# Altium PCB STB_LightBoard.PcbDoc (part 22 of 31) (continued)
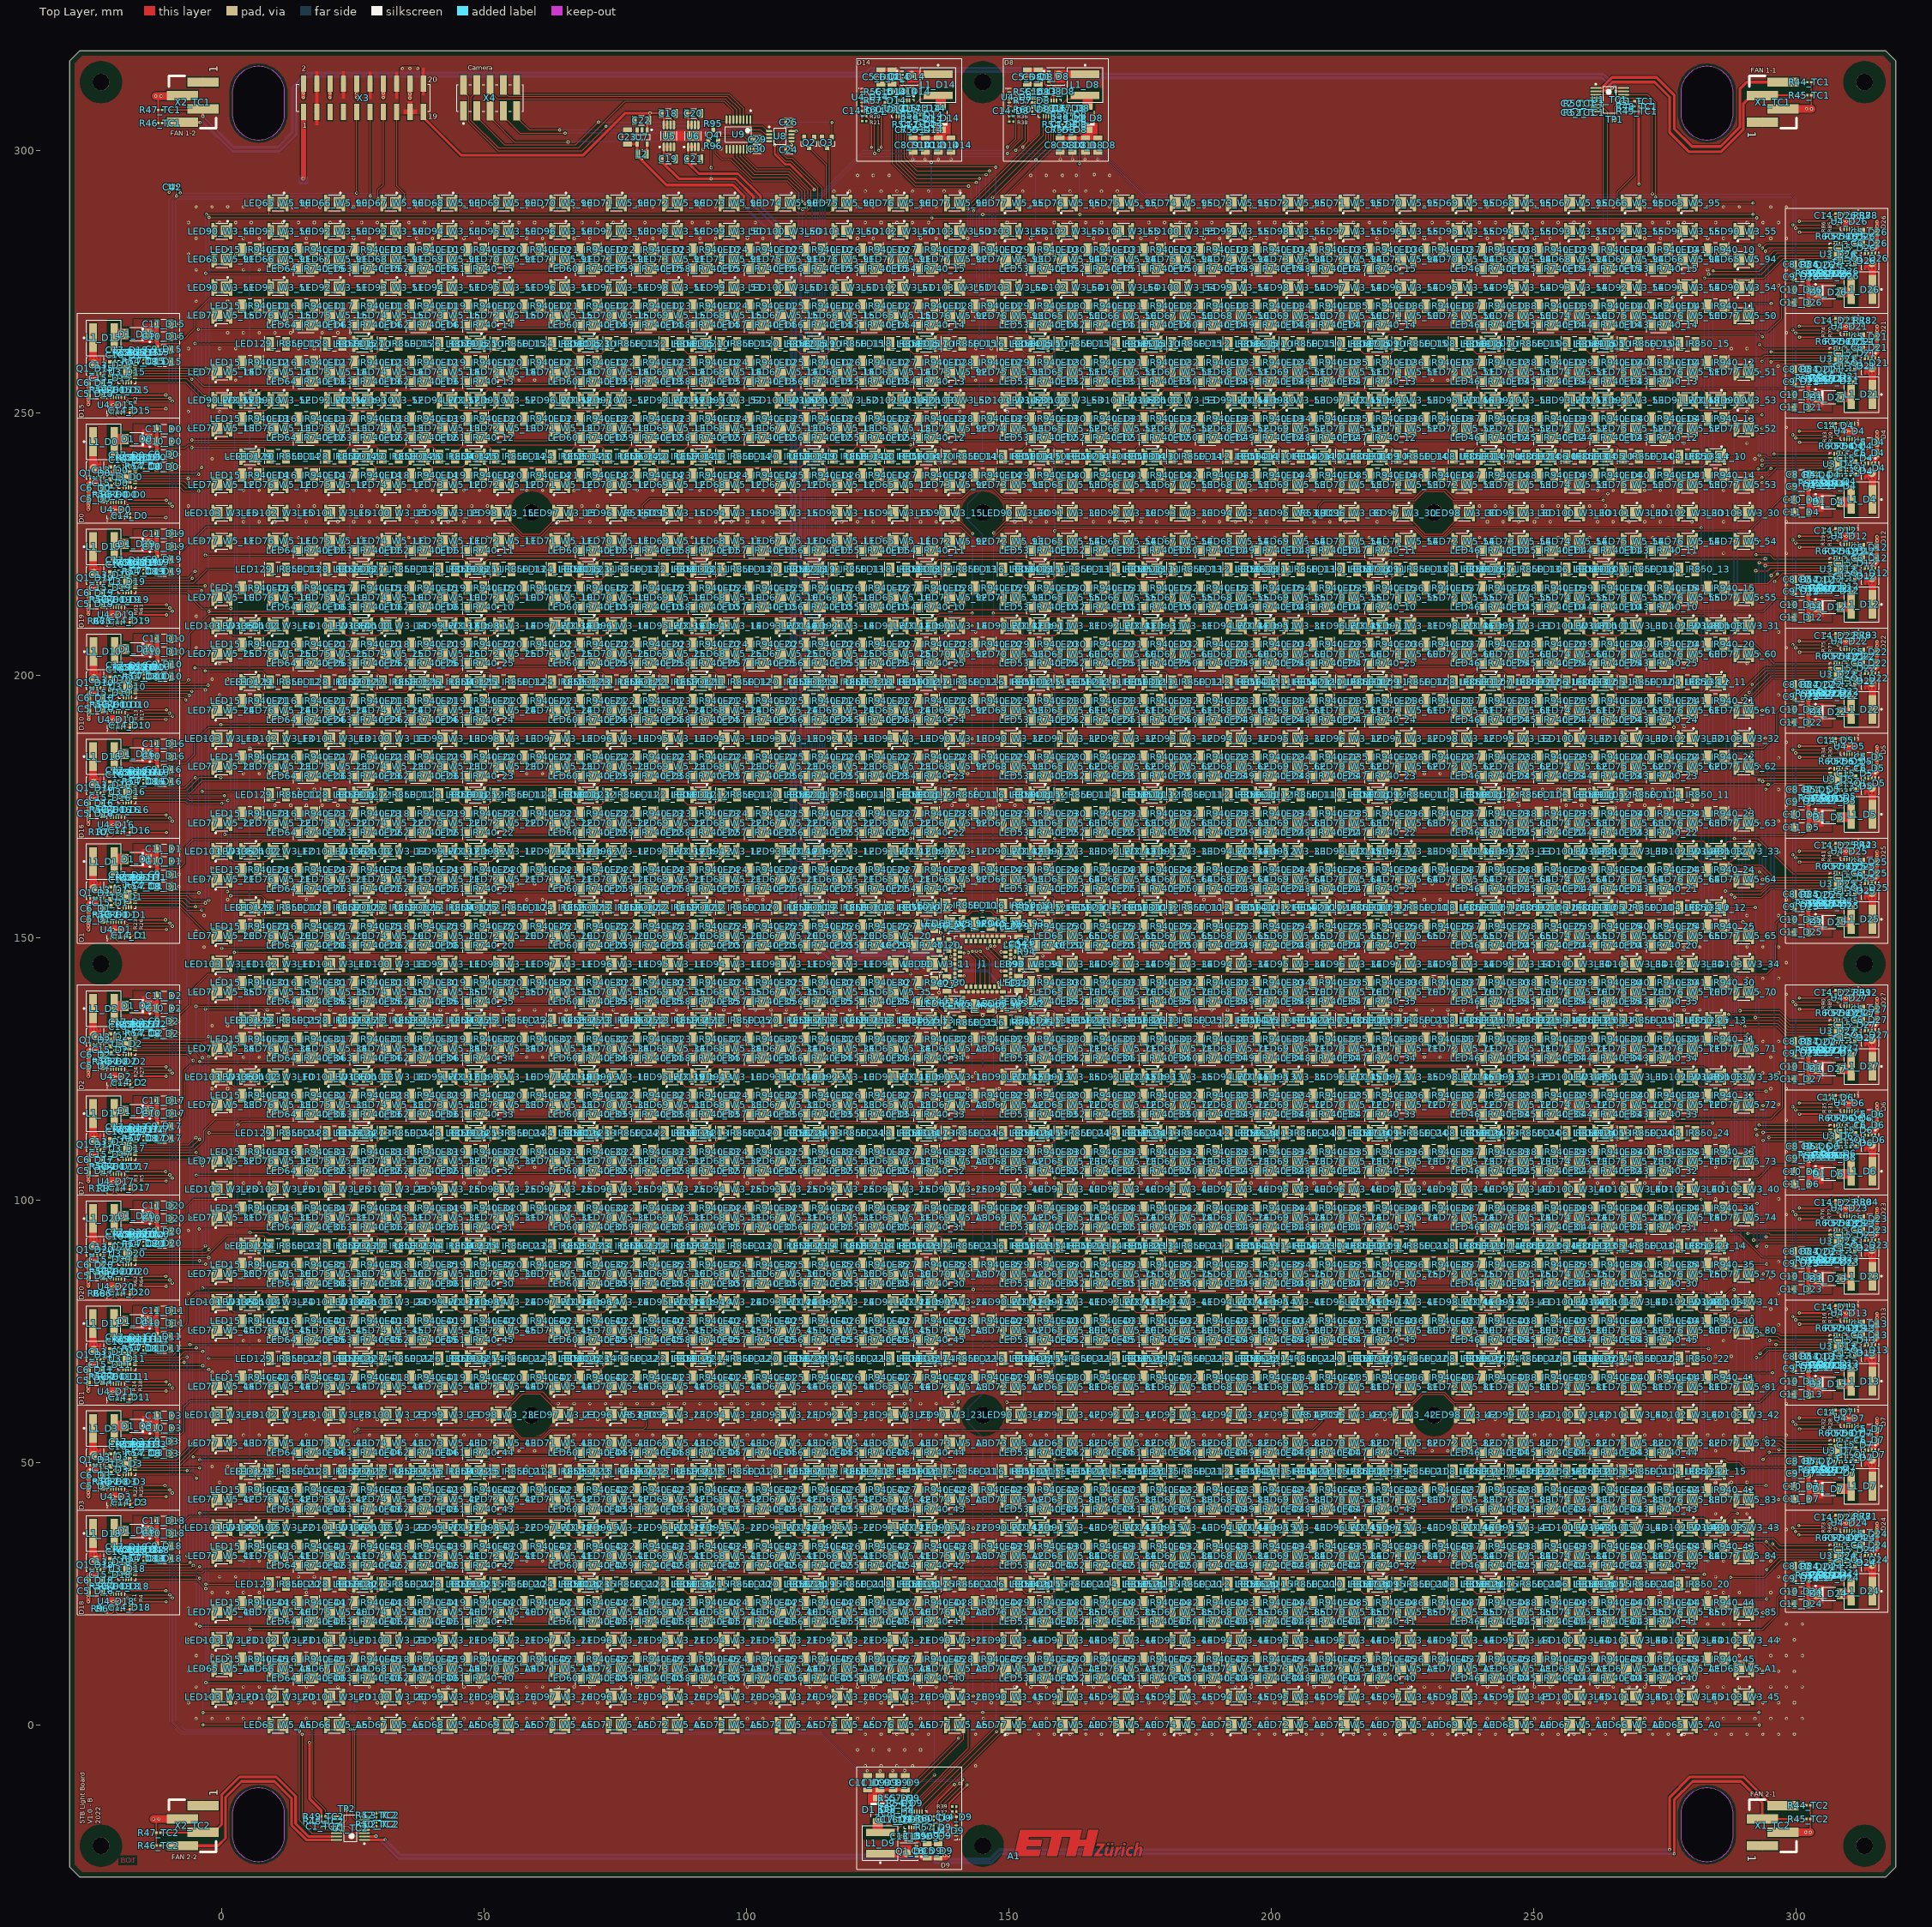
[diagram p0: Top Layer view]
## Nets (pads, with @x,y where several pads share a name; then routed paths per layer and width w, separated by ;. In a path a pad name is that pad's centre, name@x,y a point inside that pad or via, vN(x,y) a via of type N, cw(c..) or ccw(c..) an arc to the next point about the centre after c; other vN are vias at no path point) (continued)
  Top Layer w0.2: LED66_W5_44.2@119.851,64.465 LED65_W5_44.1@127.192,64.465 LED65_W5_44.1@128.257,64.465
NetLED65_W5_45_1: LED65_W5_45.1 LED66_W5_45.2 | length 8.4
  Top Layer w0.2: LED66_W5_45.2@119.851,75.205 LED65_W5_45.1@127.192,75.205 LED65_W5_45.1@128.257,75.205
NetLED65_W5_50_1: LED65_W5_50.1 LED66_W5_50.2 | length 9
  Top Layer w0.2: LED65_W5_50.1@161.75,268.5 LED65_W5_50.1@162.815,268.5 LED66_W5_50.2@170.156,268.5 LED66_W5_50.2@170.746,268.5
NetLED65_W5_51_1: LED65_W5_51.1 LED66_W5_51.2 | length 9
  Top Layer w0.2: LED65_W5_51.1@161.75,257.76 LED65_W5_51.1@162.815,257.76 LED66_W5_51.2@170.156,257.76 LED66_W5_51.2@170.746,257.76
NetLED65_W5_52_1: LED65_W5_52.1 LED66_W5_52.2 | length 9
  Top Layer w0.2: LED65_W5_52.1@161.75,247.02 LED65_W5_52.1@162.815,247.02 LED66_W5_52.2@170.156,247.02 LED66_W5_52.2@170.746,247.02
NetLED65_W5_53_1: LED65_W5_53.1 LED66_W5_53.2 | length 9
  Top Layer w0.2: LED65_W5_53.1@161.75,236.28 LED65_W5_53.1@162.815,236.28 LED66_W5_53.2@170.156,236.28 LED66_W5_53.2@170.746,236.28
NetLED65_W5_54_1: LED65_W5_54.1 LED66_W5_54.2 | length 9
  Top Layer w0.2: LED65_W5_54.1@161.75,225.54 LED65_W5_54.1@162.815,225.54 LED66_W5_54.2@170.156,225.54 LED66_W5_54.2@170.746,225.54
NetLED65_W5_55_1: LED65_W5_55.1 LED66_W5_55.2 | length 9
  Top Layer w0.2: LED65_W5_55.1@161.75,214.8 LED65_W5_55.1@162.815,214.8 LED66_W5_55.2@170.156,214.8 LED66_W5_55.2@170.746,214.8
NetLED65_W5_60_1: LED65_W5_60.1 LED66_W5_60.2 | length 9
  Top Layer w0.2: LED65_W5_60.1@161.75,204.06 LED65_W5_60.1@162.815,204.06 LED66_W5_60.2@170.156,204.06 LED66_W5_60.2@170.746,204.06
NetLED65_W5_61_1: LED65_W5_61.1 LED66_W5_61.2 | length 9
  Top Layer w0.2: LED65_W5_61.1@161.75,193.32 LED65_W5_61.1@162.815,193.32 LED66_W5_61.2@170.156,193.32 LED66_W5_61.2@170.746,193.32
NetLED65_W5_62_1: LED65_W5_62.1 LED66_W5_62.2 | length 9
  Top Layer w0.2: LED65_W5_62.1@161.75,182.58 LED65_W5_62.1@162.815,182.58 LED66_W5_62.2@170.156,182.58 LED66_W5_62.2@170.746,182.58
NetLED65_W5_63_1: LED65_W5_63.1 LED66_W5_63.2 | length 9
  Top Layer w0.2: LED65_W5_63.1@161.75,171.84 LED65_W5_63.1@162.815,171.84 LED66_W5_63.2@170.156,171.84 LED66_W5_63.2@170.746,171.84
NetLED65_W5_64_1: LED65_W5_64.1 LED66_W5_64.2 | length 9
  Top Layer w0.2: LED65_W5_64.1@161.75,161.1 LED65_W5_64.1@162.815,161.1 LED66_W5_64.2@170.156,161.1 LED66_W5_64.2@170.746,161.1
NetLED65_W5_65_1: LED65_W5_65.1 LED66_W5_65.2 | length 9
  Top Layer w0.2: LED65_W5_65.1@161.75,150.36 LED65_W5_65.1@162.815,150.36 LED66_W5_65.2@170.156,150.36 LED66_W5_65.2@170.746,150.36
NetLED65_W5_70_1: LED65_W5_70.1 LED66_W5_70.2 | length 9
  Top Layer w0.2: LED65_W5_70.1@161.75,139.62 LED65_W5_70.1@162.815,139.62 LED66_W5_70.2@170.156,139.62 LED66_W5_70.2@170.746,139.62
NetLED65_W5_71_1: LED65_W5_71.1 LED66_W5_71.2 | length 9
  Top Layer w0.2: LED65_W5_71.1@161.75,128.88 LED65_W5_71.1@162.815,128.88 LED66_W5_71.2@170.156,128.88 LED66_W5_71.2@170.746,128.88
NetLED65_W5_72_1: LED65_W5_72.1 LED66_W5_72.2 | length 9
  Top Layer w0.2: LED65_W5_72.1@161.75,118.14 LED65_W5_72.1@162.815,118.14 LED66_W5_72.2@170.156,118.14 LED66_W5_72.2@170.746,118.14
NetLED65_W5_73_1: LED65_W5_73.1 LED66_W5_73.2 | length 9
  Top Layer w0.2: LED65_W5_73.1@161.75,107.4 LED65_W5_73.1@162.815,107.4 LED66_W5_73.2@170.156,107.4 LED66_W5_73.2@170.746,107.4
NetLED65_W5_74_1: LED65_W5_74.1 LED66_W5_74.2 | length 9
  Top Layer w0.2: LED65_W5_74.1@161.75,96.66 LED65_W5_74.1@162.815,96.66 LED66_W5_74.2@170.156,96.66 LED66_W5_74.2@170.746,96.66
NetLED65_W5_75_1: LED65_W5_75.1 LED66_W5_75.2 | length 9
  Top Layer w0.2: LED65_W5_75.1@161.75,85.92 LED65_W5_75.1@162.815,85.92 LED66_W5_75.2@170.156,85.92 LED66_W5_75.2@170.746,85.92
NetLED65_W5_80_1: LED65_W5_80.1 LED66_W5_80.2 | length 9
  Top Layer w0.2: LED65_W5_80.1@161.75,75.18 LED65_W5_80.1@162.815,75.18 LED66_W5_80.2@170.156,75.18 LED66_W5_80.2@170.746,75.18
NetLED65_W5_81_1: LED65_W5_81.1 LED66_W5_81.2 | length 9
  Top Layer w0.2: LED65_W5_81.1@161.75,64.44 LED65_W5_81.1@162.815,64.44 LED66_W5_81.2@170.156,64.44 LED66_W5_81.2@170.746,64.44
NetLED65_W5_82_1: LED65_W5_82.1 LED66_W5_82.2 | length 9
  Top Layer w0.2: LED65_W5_82.1@161.75,53.7 LED65_W5_82.1@162.815,53.7 LED66_W5_82.2@170.156,53.7 LED66_W5_82.2@170.746,53.7
NetLED65_W5_83_1: LED65_W5_83.1 LED66_W5_83.2 | length 9
  Top Layer w0.2: LED65_W5_83.1@161.75,42.96 LED65_W5_83.1@162.815,42.96 LED66_W5_83.2@170.156,42.96 LED66_W5_83.2@170.746,42.96
NetLED65_W5_84_1: LED65_W5_84.1 LED66_W5_84.2 | length 9
  Top Layer w0.2: LED65_W5_84.1@161.75,32.22 LED65_W5_84.1@162.815,32.22 LED66_W5_84.2@170.156,32.22 LED66_W5_84.2@170.746,32.22
NetLED65_W5_85_1: LED65_W5_85.1 LED66_W5_85.2 | length 9
  Top Layer w0.2: LED65_W5_85.1@161.75,21.48 LED65_W5_85.1@162.815,21.48 LED66_W5_85.2@170.156,21.48 LED66_W5_85.2@170.746,21.48
NetLED65_W5_90_1: LED65_W5_90.1 LED66_W5_90.2 | length 10.7
  Top Layer w0.2: LED65_W5_90.1@11.991,289.98 LED65_W5_90.1@11.401,289.98 ; LED65_W5_90.1@12.441,289.98 LED65_W5_90.1@11.401,289.98 ; v1(13.1,290) 11.396,290 LED65_W5_90.1@11.376,289.98 LED65_W5_90.1@11.401,289.98 ; v1(19.1,290) 19.12,289.98 LED66_W5_90.2@19.782,289.98 LED66_W5_90.2@20.372,289.98 LED66_W5_90.2@20.397,289.98
  Bottom Layer w0.2: v1(13.1,290) v1(19.1,290)
NetLED65_W5_91_1: LED65_W5_91.1 LED66_W5_91.2 | length 9
  Top Layer w0.2: LED65_W5_91.1@0.635,279.24 LED65_W5_91.1@1.7,279.24 LED66_W5_91.2@9.041,279.24 LED66_W5_91.2@9.631,279.24
NetLED65_W5_92_1: LED65_W5_92.1 LED66_W5_92.2 | length 13.2
  Top Layer w0.2: v1(137.2,152.7) LED65_W5_92.1@138.682,152.7 ; LED66_W5_92.2@140.743,161.1 LED66_W5_92.2@141.333,161.1 v1(142.019,161.1)
  Bottom Layer w0.2: v1(137.2,152.7) 137.2,156.281 v1(142.019,161.1)
NetLED65_W5_93_1: LED65_W5_93.1 LED66_W5_93.2 | length 13.5
  Top Layer w0.2: v1(148.06,161.1) LED66_W5_93.2@148.674,161.1 LED66_W5_93.2@149.264,161.1 ; LED65_W5_93.1@151.009,152.76 151.209,152.96 151.874,152.96 LED65_W5_93.1@152.074,152.76 ; LED65_W5_93.1@152.074,152.6 v1(152.7,152.6)
  Bottom Layer w0.2: v1(148.06,161.1) 152.76,156.4 152.76,152.66 v1(152.7,152.6)
NetLED65_W5_94_1: LED65_W5_94.1 LED66_W5_94.2 | length 8.4
  Top Layer w0.2: LED66_W5_94.2@280.966,279.24 LED65_W5_94.1@288.307,279.24 LED65_W5_94.1@289.372,279.24
NetLED65_W5_95_1: LED65_W5_95.1 LED66_W5_95.2 | length 9
  Top Layer w0.2: LED66_W5_95.2@269.61,289.98 270.675,289.98 278.016,289.98 LED65_W5_95.1@278.606,289.98
NetLED65_W5_A0_1: LED65_W5_A0.1 LED66_W5_A0.2 | length 18.6
  Top Layer w0.2: LED66_W5_A0.2@269.61,0 270.675,0 LED65_W5_A0.1@278.016,0 ; LED66_W5_A0.2@269.635,0 LED66_W5_A0.2@270.225,0 LED65_W5_A0.1@277.566,0 LED65_W5_A0.1@278.631,0 LED65_W5_A0.1@278.016,0 ; LED65_W5_A0.1@278.606,0 LED65_W5_A0.1@278.016,0
NetLED65_W5_A1_1: LED65_W5_A1.1 LED66_W5_A1.2 | length 8.4
  Top Layer w0.2: LED66_W5_A1.2@280.351,10.74 281.416,10.74 LED65_W5_A1.1@288.757,10.74
NetLED65_W5_A2_1: LED65_W5_A2.1 LED66_W5_A2.2 | length 12.4
  Top Layer w0.2: v1(148.06,128.88) LED66_W5_A2.2@148.674,128.88 LED66_W5_A2.2@149.264,128.88 ; LED65_W5_A2.1@152.117,137.483 v1(152.761,137.483)
  Bottom Layer w0.2: v1(148.06,128.88) 152.761,133.581 v1(152.761,137.483)
NetLED65_W5_A3_1: LED65_W5_A3.1 LED66_W5_A3.2 | length 13
  Top Layer w0.2: v1(137.3,137.5) 137.733,137.5 137.961,137.728 LED65_W5_A3.1@137.961,138.161 ; LED66_W5_A3.2@140.743,128.88 LED66_W5_A3.2@141.333,128.88 v1(142.019,128.88)
  Bottom Layer w0.2: v1(137.3,137.5) 137.3,133.599 v1(142.019,128.88)
NetLED65_W5_A4_1: LED65_W5_A4.1 LED66_W5_A4.2 | length 8.4
  Top Layer w0.2: LED65_W5_A4.1@1.25,10.74 8.591,10.74 LED66_W5_A4.2@9.656,10.74
NetLED65_W5_A5_1: LED65_W5_A5.1 LED66_W5_A5.2 | length 9
  Top Layer w0.2: LED65_W5_A5.1@11.376,0 LED65_W5_A5.1@12.441,0 LED66_W5_A5.2@19.782,0 LED66_W5_A5.2@20.372,0
NetLED66_W5_10_1: LED66_W5_10.1 LED67_W5_10.2 | length 8.4
  Top Layer w0.2: LED67_W5_10.2@109.11,214.825 LED66_W5_10.1@116.451,214.825 LED66_W5_10.1@117.516,214.825
NetLED66_W5_11_1: LED66_W5_11.1 LED67_W5_11.2 | length 8.4
  Top Layer w0.2: LED67_W5_11.2@109.11,225.565 LED66_W5_11.1@116.451,225.565 LED66_W5_11.1@117.516,225.565
NetLED66_W5_12_1: LED66_W5_12.1 LED67_W5_12.2 | length 8.4
  Top Layer w0.2: LED67_W5_12.2@109.11,236.305 LED66_W5_12.1@116.451,236.305 LED66_W5_12.1@117.516,236.305
NetLED66_W5_13_1: LED66_W5_13.1 LED67_W5_13.2 | length 8.4
  Top Layer w0.2: LED67_W5_13.2@109.11,247.045 LED66_W5_13.1@116.451,247.045 LED66_W5_13.1@117.516,247.045
NetLED66_W5_14_1: LED66_W5_14.1 LED67_W5_14.2 | length 8.4
  Top Layer w0.2: LED67_W5_14.2@109.11,257.785 LED66_W5_14.1@116.451,257.785 LED66_W5_14.1@117.516,257.785
NetLED66_W5_15_1: LED66_W5_15.1 LED67_W5_15.2 | length 8.4
  Top Layer w0.2: LED67_W5_15.2@109.11,268.525 LED66_W5_15.1@116.451,268.525 LED66_W5_15.1@117.516,268.525
NetLED66_W5_20_1: LED66_W5_20.1 LED67_W5_20.2 | length 8.4
  Top Layer w0.2: LED67_W5_20.2@109.11,150.385 LED66_W5_20.1@116.451,150.385 LED66_W5_20.1@117.516,150.385
NetLED66_W5_21_1: LED66_W5_21.1 LED67_W5_21.2 | length 8.4
  Top Layer w0.2: LED67_W5_21.2@109.11,161.125 LED66_W5_21.1@116.451,161.125 LED66_W5_21.1@117.516,161.125
NetLED66_W5_22_1: LED66_W5_22.1 LED67_W5_22.2 | length 8.4
  Top Layer w0.2: LED67_W5_22.2@109.11,171.865 LED66_W5_22.1@116.451,171.865 LED66_W5_22.1@117.516,171.865
NetLED66_W5_23_1: LED66_W5_23.1 LED67_W5_23.2 | length 8.4
  Top Layer w0.2: LED67_W5_23.2@109.11,182.605 LED66_W5_23.1@116.451,182.605 LED66_W5_23.1@117.516,182.605
NetLED66_W5_24_1: LED66_W5_24.1 LED67_W5_24.2 | length 8.4
  Top Layer w0.2: LED67_W5_24.2@109.11,193.345 LED66_W5_24.1@116.451,193.345 LED66_W5_24.1@117.516,193.345
NetLED66_W5_25_1: LED66_W5_25.1 LED67_W5_25.2 | length 8.4
  Top Layer w0.2: LED67_W5_25.2@109.11,204.085 LED66_W5_25.1@116.451,204.085 LED66_W5_25.1@117.516,204.085
NetLED66_W5_30_1: LED66_W5_30.1 LED67_W5_30.2 | length 8.4
  Top Layer w0.2: LED67_W5_30.2@109.11,85.945 LED66_W5_30.1@116.451,85.945 LED66_W5_30.1@117.516,85.945
NetLED66_W5_31_1: LED66_W5_31.1 LED67_W5_31.2 | length 8.4
  Top Layer w0.2: LED67_W5_31.2@109.11,96.685 LED66_W5_31.1@116.451,96.685 LED66_W5_31.1@117.516,96.685
NetLED66_W5_32_1: LED66_W5_32.1 LED67_W5_32.2 | length 8.4
  Top Layer w0.2: LED67_W5_32.2@109.11,107.425 LED66_W5_32.1@116.451,107.425 LED66_W5_32.1@117.516,107.425
NetLED66_W5_33_1: LED66_W5_33.1 LED67_W5_33.2 | length 8.4
  Top Layer w0.2: LED67_W5_33.2@109.11,118.165 LED66_W5_33.1@116.451,118.165 LED66_W5_33.1@117.516,118.165
NetLED66_W5_34_1: LED66_W5_34.1 LED67_W5_34.2 | length 8.4
  Top Layer w0.2: LED67_W5_34.2@109.11,128.905 LED66_W5_34.1@116.451,128.905 LED66_W5_34.1@117.516,128.905
NetLED66_W5_35_1: LED66_W5_35.1 LED67_W5_35.2 | length 8.4
  Top Layer w0.2: LED67_W5_35.2@109.11,139.645 LED66_W5_35.1@116.451,139.645 LED66_W5_35.1@117.516,139.645
NetLED66_W5_40_1: LED66_W5_40.1 LED67_W5_40.2 | length 8.4
  Top Layer w0.2: LED67_W5_40.2@109.11,21.505 LED66_W5_40.1@116.451,21.505 LED66_W5_40.1@117.516,21.505
NetLED66_W5_41_1: LED66_W5_41.1 LED67_W5_41.2 | length 8.4
  Top Layer w0.2: LED67_W5_41.2@109.11,32.245 LED66_W5_41.1@116.451,32.245 LED66_W5_41.1@117.516,32.245
NetLED66_W5_42_1: LED66_W5_42.1 LED67_W5_42.2 | length 8.4
  Top Layer w0.2: LED67_W5_42.2@109.11,42.985 LED66_W5_42.1@116.451,42.985 LED66_W5_42.1@117.516,42.985
NetLED66_W5_43_1: LED66_W5_43.1 LED67_W5_43.2 | length 8.4
  Top Layer w0.2: LED67_W5_43.2@109.11,53.725 LED66_W5_43.1@116.451,53.725 LED66_W5_43.1@117.516,53.725
NetLED66_W5_44_1: LED66_W5_44.1 LED67_W5_44.2 | length 8.4
  Top Layer w0.2: LED67_W5_44.2@109.11,64.465 LED66_W5_44.1@116.451,64.465 LED66_W5_44.1@117.516,64.465
NetLED66_W5_45_1: LED66_W5_45.1 LED67_W5_45.2 | length 8.4
  Top Layer w0.2: LED67_W5_45.2@109.11,75.205 LED66_W5_45.1@116.451,75.205 LED66_W5_45.1@117.516,75.205
NetLED66_W5_50_1: LED66_W5_50.1 LED67_W5_50.2 | length 9
  Top Layer w0.2: LED66_W5_50.1@172.491,268.5 LED66_W5_50.1@173.556,268.5 LED67_W5_50.2@180.897,268.5 LED67_W5_50.2@181.487,268.5
NetLED66_W5_51_1: LED66_W5_51.1 LED67_W5_51.2 | length 9
  Top Layer w0.2: LED66_W5_51.1@172.491,257.76 LED66_W5_51.1@173.556,257.76 LED67_W5_51.2@180.897,257.76 LED67_W5_51.2@181.487,257.76
NetLED66_W5_52_1: LED66_W5_52.1 LED67_W5_52.2 | length 9
  Top Layer w0.2: LED66_W5_52.1@172.491,247.02 LED66_W5_52.1@173.556,247.02 LED67_W5_52.2@180.897,247.02 LED67_W5_52.2@181.487,247.02
NetLED66_W5_53_1: LED66_W5_53.1 LED67_W5_53.2 | length 9
  Top Layer w0.2: LED66_W5_53.1@172.491,236.28 LED66_W5_53.1@173.556,236.28 LED67_W5_53.2@180.897,236.28 LED67_W5_53.2@181.487,236.28
NetLED66_W5_54_1: LED66_W5_54.1 LED67_W5_54.2 | length 9
  Top Layer w0.2: LED66_W5_54.1@172.491,225.54 LED66_W5_54.1@173.556,225.54 LED67_W5_54.2@180.897,225.54 LED67_W5_54.2@181.487,225.54
NetLED66_W5_55_1: LED66_W5_55.1 LED67_W5_55.2 | length 9
  Top Layer w0.2: LED66_W5_55.1@172.491,214.8 LED66_W5_55.1@173.556,214.8 LED67_W5_55.2@180.897,214.8 LED67_W5_55.2@181.487,214.8
NetLED66_W5_60_1: LED66_W5_60.1 LED67_W5_60.2 | length 9
  Top Layer w0.2: LED66_W5_60.1@172.491,204.06 LED66_W5_60.1@173.556,204.06 LED67_W5_60.2@180.897,204.06 LED67_W5_60.2@181.487,204.06
NetLED66_W5_61_1: LED66_W5_61.1 LED67_W5_61.2 | length 9
  Top Layer w0.2: LED66_W5_61.1@172.491,193.32 LED66_W5_61.1@173.556,193.32 LED67_W5_61.2@180.897,193.32 LED67_W5_61.2@181.487,193.32
NetLED66_W5_62_1: LED66_W5_62.1 LED67_W5_62.2 | length 9
  Top Layer w0.2: LED66_W5_62.1@172.491,182.58 LED66_W5_62.1@173.556,182.58 LED67_W5_62.2@180.897,182.58 LED67_W5_62.2@181.487,182.58
NetLED66_W5_63_1: LED66_W5_63.1 LED67_W5_63.2 | length 9
  Top Layer w0.2: LED66_W5_63.1@172.491,171.84 LED66_W5_63.1@173.556,171.84 LED67_W5_63.2@180.897,171.84 LED67_W5_63.2@181.487,171.84
NetLED66_W5_64_1: LED66_W5_64.1 LED67_W5_64.2 | length 9
  Top Layer w0.2: LED66_W5_64.1@172.491,161.1 LED66_W5_64.1@173.556,161.1 LED67_W5_64.2@180.897,161.1 LED67_W5_64.2@181.487,161.1
NetLED66_W5_65_1: LED66_W5_65.1 LED67_W5_65.2 | length 9
  Top Layer w0.2: LED66_W5_65.1@172.491,150.36 LED66_W5_65.1@173.556,150.36 LED67_W5_65.2@180.897,150.36 LED67_W5_65.2@181.487,150.36
NetLED66_W5_70_1: LED66_W5_70.1 LED67_W5_70.2 | length 9
  Top Layer w0.2: LED66_W5_70.1@172.491,139.62 LED66_W5_70.1@173.556,139.62 LED67_W5_70.2@180.897,139.62 LED67_W5_70.2@181.487,139.62
NetLED66_W5_71_1: LED66_W5_71.1 LED67_W5_71.2 | length 9
  Top Layer w0.2: LED66_W5_71.1@172.491,128.88 LED66_W5_71.1@173.556,128.88 LED67_W5_71.2@180.897,128.88 LED67_W5_71.2@181.487,128.88
NetLED66_W5_72_1: LED66_W5_72.1 LED67_W5_72.2 | length 9
  Top Layer w0.2: LED66_W5_72.1@172.491,118.14 LED66_W5_72.1@173.556,118.14 LED67_W5_72.2@180.897,118.14 LED67_W5_72.2@181.487,118.14
NetLED66_W5_73_1: LED66_W5_73.1 LED67_W5_73.2 | length 9
  Top Layer w0.2: LED66_W5_73.1@172.491,107.4 LED66_W5_73.1@173.556,107.4 LED67_W5_73.2@180.897,107.4 LED67_W5_73.2@181.487,107.4
NetLED66_W5_74_1: LED66_W5_74.1 LED67_W5_74.2 | length 9
  Top Layer w0.2: LED66_W5_74.1@172.491,96.66 LED66_W5_74.1@173.556,96.66 LED67_W5_74.2@180.897,96.66 LED67_W5_74.2@181.487,96.66
NetLED66_W5_75_1: LED66_W5_75.1 LED67_W5_75.2 | length 9
  Top Layer w0.2: LED66_W5_75.1@172.491,85.92 LED66_W5_75.1@173.556,85.92 LED67_W5_75.2@180.897,85.92 LED67_W5_75.2@181.487,85.92
NetLED66_W5_80_1: LED66_W5_80.1 LED67_W5_80.2 | length 9
  Top Layer w0.2: LED66_W5_80.1@172.491,75.18 LED66_W5_80.1@173.556,75.18 LED67_W5_80.2@180.897,75.18 LED67_W5_80.2@181.487,75.18
NetLED66_W5_81_1: LED66_W5_81.1 LED67_W5_81.2 | length 9
  Top Layer w0.2: LED66_W5_81.1@172.491,64.44 LED66_W5_81.1@173.556,64.44 LED67_W5_81.2@180.897,64.44 LED67_W5_81.2@181.487,64.44
NetLED66_W5_82_1: LED66_W5_82.1 LED67_W5_82.2 | length 9
  Top Layer w0.2: LED66_W5_82.1@172.491,53.7 LED66_W5_82.1@173.556,53.7 LED67_W5_82.2@180.897,53.7 LED67_W5_82.2@181.487,53.7
NetLED66_W5_83_1: LED66_W5_83.1 LED67_W5_83.2 | length 9
  Top Layer w0.2: LED66_W5_83.1@172.491,42.96 LED66_W5_83.1@173.556,42.96 LED67_W5_83.2@180.897,42.96 LED67_W5_83.2@181.487,42.96
NetLED66_W5_84_1: LED66_W5_84.1 LED67_W5_84.2 | length 9
  Top Layer w0.2: LED66_W5_84.1@172.491,32.22 LED66_W5_84.1@173.556,32.22 LED67_W5_84.2@180.897,32.22 LED67_W5_84.2@181.487,32.22
NetLED66_W5_85_1: LED66_W5_85.1 LED67_W5_85.2 | length 9
  Top Layer w0.2: LED66_W5_85.1@172.491,21.48 LED66_W5_85.1@173.556,21.48 LED67_W5_85.2@180.897,21.48 LED67_W5_85.2@181.487,21.48
NetLED66_W5_90_1: LED66_W5_90.1 LED67_W5_90.2 | length 8.6
  Top Layer w0.2: LED66_W5_90.1@22.142,289.98 LED66_W5_90.1@22.732,289.98 ; LED66_W5_90.1@23.182,289.98 v1(23.8,289.98) ; v1(29.806,289.996) 30.507,289.996 LED67_W5_90.2@30.523,289.98 LED67_W5_90.2@31.113,289.98 LED67_W5_90.2@31.138,289.98
  Bottom Layer w0.2: v1(23.8,289.98) 23.808,289.988 29.798,289.988 v1(29.806,289.996)
NetLED66_W5_91_1: LED66_W5_91.1 LED67_W5_91.2 | length 9
  Top Layer w0.2: LED66_W5_91.1@11.376,279.24 LED66_W5_91.1@12.441,279.24 LED67_W5_91.2@19.782,279.24 LED67_W5_91.2@20.372,279.24
NetLED66_W5_92_1: LED66_W5_92.1 LED67_W5_92.2 | length 15.2
  Top Layer w0.2: v1(137.319,161.1) LED66_W5_92.1@137.933,161.1 LED66_W5_92.1@138.523,161.1 ; LED67_W5_92.2@140.743,171.84 LED67_W5_92.2@141.333,171.84 v1(142.019,171.84)
  Bottom Layer w0.2: v1(137.319,161.1) 137.319,167.14 v1(142.019,171.84)
NetLED66_W5_93_1: LED66_W5_93.1 LED67_W5_93.2 | length 15.6
  Top Layer w0.2: v1(148.06,171.84) LED67_W5_93.2@148.674,171.84 LED67_W5_93.2@149.264,171.84 ; LED66_W5_93.1@151.009,161.1 LED66_W5_93.1@152.074,161.1 v1(152.76,161.1)
  Bottom Layer w0.2: v1(148.06,171.84) 152.76,167.14 v1(152.76,161.1)
NetLED66_W5_94_1: LED66_W5_94.1 LED67_W5_94.2 | length 7.9
  Top Layer w0.2: LED67_W5_94.2@270.225,279.24 LED66_W5_94.1@277.566,279.24 LED66_W5_94.1@278.156,279.24
NetLED66_W5_95_1: LED66_W5_95.1 LED67_W5_95.2 | length 11.7
  Top Layer w0.2: LED67_W5_95.2@258.869,289.98 LED67_W5_95.2@259.484,289.98 259.484,288.705 259.684,288.505 259.796,288.505 259.801,288.5 266.508,288.5 266.513,288.505 266.625,288.505 266.825,288.705 LED66_W5_95.1@266.825,289.98 267.275,289.98 LED66_W5_95.1@267.865,289.98
NetLED66_W5_A0_1: LED66_W5_A0.1 LED67_W5_A0.2 | length 18.8
  Top Layer w0.2: LED67_W5_A0.2@258.7,0 LED67_W5_A0.2@258.894,0 LED67_W5_A0.2@259.484,0 LED66_W5_A0.1@266.825,0 LED66_W5_A0.1@267.89,0 LED66_W5_A0.1@267.275,0 ; LED67_W5_A0.2@258.869,0 259.934,0 LED66_W5_A0.1@267.275,0 ; LED66_W5_A0.1@267.865,0 LED66_W5_A0.1@267.275,0
NetLED66_W5_A1_1: LED66_W5_A1.1 LED67_W5_A1.2 | length 9
  Top Layer w0.2: LED67_W5_A1.2@269.61,10.74 270.675,10.74 278.016,10.74 LED66_W5_A1.1@278.606,10.74
NetLED66_W5_A2_1: LED66_W5_A2.1 LED67_W5_A2.2 | length 15.6
  Top Layer w0.2: v1(148.06,118.14) LED67_W5_A2.2@148.674,118.14 LED67_W5_A2.2@149.264,118.14 ; LED66_W5_A2.1@151.009,128.88 LED66_W5_A2.1@152.074,128.88 v1(152.76,128.88)
  Bottom Layer w0.2: v1(148.06,118.14) 152.76,122.84 v1(152.76,128.88)
NetLED66_W5_A3_1: LED66_W5_A3.1 LED67_W5_A3.2 | length 15.2
  Top Layer w0.2: v1(137.319,128.88) LED66_W5_A3.1@137.933,128.88 LED66_W5_A3.1@138.523,128.88 ; LED67_W5_A3.2@140.743,118.14 LED67_W5_A3.2@141.333,118.14 v1(142.019,118.14)
  Bottom Layer w0.2: v1(137.319,128.88) 137.319,122.84 v1(142.019,118.14)
NetLED66_W5_A4_1: LED66_W5_A4.1 LED67_W5_A4.2 | length 9
  Top Layer w0.2: LED66_W5_A4.1@11.401,10.74 11.991,10.74 19.332,10.74 LED67_W5_A4.2@20.397,10.74
NetLED66_W5_A5_1: LED66_W5_A5.1 LED67_W5_A5.2 | length 8.4
  Top Layer w0.2: LED66_W5_A5.1@22.117,0 LED66_W5_A5.1@23.182,0 LED67_W5_A5.2@30.523,0
NetLED67_W5_10_1: LED67_W5_10.1 LED68_W5_10.2 | length 8.4
  Top Layer w0.2: LED68_W5_10.2@98.369,214.825 LED67_W5_10.1@105.71,214.825 LED67_W5_10.1@106.775,214.825
NetLED67_W5_11_1: LED67_W5_11.1 LED68_W5_11.2 | length 8.4
  Top Layer w0.2: LED68_W5_11.2@98.369,225.565 LED67_W5_11.1@105.71,225.565 LED67_W5_11.1@106.775,225.565
NetLED67_W5_12_1: LED67_W5_12.1 LED68_W5_12.2 | length 8.4
  Top Layer w0.2: LED68_W5_12.2@98.369,236.305 LED67_W5_12.1@105.71,236.305 LED67_W5_12.1@106.775,236.305
NetLED67_W5_13_1: LED67_W5_13.1 LED68_W5_13.2 | length 8.4
  Top Layer w0.2: LED68_W5_13.2@98.369,247.045 LED67_W5_13.1@105.71,247.045 LED67_W5_13.1@106.775,247.045
NetLED67_W5_14_1: LED67_W5_14.1 LED68_W5_14.2 | length 8.4
  Top Layer w0.2: LED68_W5_14.2@98.369,257.785 LED67_W5_14.1@105.71,257.785 LED67_W5_14.1@106.775,257.785
NetLED67_W5_15_1: LED67_W5_15.1 LED68_W5_15.2 | length 8.4
  Top Layer w0.2: LED68_W5_15.2@98.369,268.525 LED67_W5_15.1@105.71,268.525 LED67_W5_15.1@106.775,268.525
NetLED67_W5_20_1: LED67_W5_20.1 LED68_W5_20.2 | length 8.4
  Top Layer w0.2: LED68_W5_20.2@98.369,150.385 LED67_W5_20.1@105.71,150.385 LED67_W5_20.1@106.775,150.385
NetLED67_W5_21_1: LED67_W5_21.1 LED68_W5_21.2 | length 8.4
  Top Layer w0.2: LED68_W5_21.2@98.369,161.125 LED67_W5_21.1@105.71,161.125 LED67_W5_21.1@106.775,161.125
NetLED67_W5_22_1: LED67_W5_22.1 LED68_W5_22.2 | length 8.4
  Top Layer w0.2: LED68_W5_22.2@98.369,171.865 LED67_W5_22.1@105.71,171.865 LED67_W5_22.1@106.775,171.865
NetLED67_W5_23_1: LED67_W5_23.1 LED68_W5_23.2 | length 8.4
  Top Layer w0.2: LED68_W5_23.2@98.369,182.605 LED67_W5_23.1@105.71,182.605 LED67_W5_23.1@106.775,182.605
NetLED67_W5_24_1: LED67_W5_24.1 LED68_W5_24.2 | length 8.4
  Top Layer w0.2: LED68_W5_24.2@98.369,193.345 LED67_W5_24.1@105.71,193.345 LED67_W5_24.1@106.775,193.345
NetLED67_W5_25_1: LED67_W5_25.1 LED68_W5_25.2 | length 8.4
  Top Layer w0.2: LED68_W5_25.2@98.369,204.085 LED67_W5_25.1@105.71,204.085 LED67_W5_25.1@106.775,204.085
NetLED67_W5_30_1: LED67_W5_30.1 LED68_W5_30.2 | length 8.4
  Top Layer w0.2: LED68_W5_30.2@98.369,85.945 LED67_W5_30.1@105.71,85.945 LED67_W5_30.1@106.775,85.945
NetLED67_W5_31_1: LED67_W5_31.1 LED68_W5_31.2 | length 8.4
  Top Layer w0.2: LED68_W5_31.2@98.369,96.685 LED67_W5_31.1@105.71,96.685 LED67_W5_31.1@106.775,96.685
NetLED67_W5_32_1: LED67_W5_32.1 LED68_W5_32.2 | length 8.4
  Top Layer w0.2: LED68_W5_32.2@98.369,107.425 LED67_W5_32.1@105.71,107.425 LED67_W5_32.1@106.775,107.425
NetLED67_W5_33_1: LED67_W5_33.1 LED68_W5_33.2 | length 8.4
  Top Layer w0.2: LED68_W5_33.2@98.369,118.165 LED67_W5_33.1@105.71,118.165 LED67_W5_33.1@106.775,118.165
NetLED67_W5_34_1: LED67_W5_34.1 LED68_W5_34.2 | length 8.4
  Top Layer w0.2: LED68_W5_34.2@98.369,128.905 LED67_W5_34.1@105.71,128.905 LED67_W5_34.1@106.775,128.905
NetLED67_W5_35_1: LED67_W5_35.1 LED68_W5_35.2 | length 8.4
  Top Layer w0.2: LED68_W5_35.2@98.369,139.645 LED67_W5_35.1@105.71,139.645 LED67_W5_35.1@106.775,139.645
NetLED67_W5_40_1: LED67_W5_40.1 LED68_W5_40.2 | length 8.4
  Top Layer w0.2: LED68_W5_40.2@98.369,21.505 LED67_W5_40.1@105.71,21.505 LED67_W5_40.1@106.775,21.505
NetLED67_W5_41_1: LED67_W5_41.1 LED68_W5_41.2 | length 8.4
  Top Layer w0.2: LED68_W5_41.2@98.369,32.245 LED67_W5_41.1@105.71,32.245 LED67_W5_41.1@106.775,32.245
NetLED67_W5_42_1: LED67_W5_42.1 LED68_W5_42.2 | length 8.4
  Top Layer w0.2: LED68_W5_42.2@98.369,42.985 LED67_W5_42.1@105.71,42.985 LED67_W5_42.1@106.775,42.985
NetLED67_W5_43_1: LED67_W5_43.1 LED68_W5_43.2 | length 8.4
  Top Layer w0.2: LED68_W5_43.2@98.369,53.725 LED67_W5_43.1@105.71,53.725 LED67_W5_43.1@106.775,53.725
NetLED67_W5_44_1: LED67_W5_44.1 LED68_W5_44.2 | length 8.4
  Top Layer w0.2: LED68_W5_44.2@98.369,64.465 LED67_W5_44.1@105.71,64.465 LED67_W5_44.1@106.775,64.465
NetLED67_W5_45_1: LED67_W5_45.1 LED68_W5_45.2 | length 8.4
  Top Layer w0.2: LED68_W5_45.2@98.369,75.205 LED67_W5_45.1@105.71,75.205 LED67_W5_45.1@106.775,75.205
NetLED67_W5_50_1: LED67_W5_50.1 LED68_W5_50.2 | length 9
  Top Layer w0.2: LED67_W5_50.1@183.232,268.5 LED67_W5_50.1@184.297,268.5 LED68_W5_50.2@191.638,268.5 LED68_W5_50.2@192.228,268.5
NetLED67_W5_51_1: LED67_W5_51.1 LED68_W5_51.2 | length 9
  Top Layer w0.2: LED67_W5_51.1@183.232,257.76 LED67_W5_51.1@184.297,257.76 LED68_W5_51.2@191.638,257.76 LED68_W5_51.2@192.228,257.76
NetLED67_W5_52_1: LED67_W5_52.1 LED68_W5_52.2 | length 9
  Top Layer w0.2: LED67_W5_52.1@183.232,247.02 LED67_W5_52.1@184.297,247.02 LED68_W5_52.2@191.638,247.02 LED68_W5_52.2@192.228,247.02
NetLED67_W5_53_1: LED67_W5_53.1 LED68_W5_53.2 | length 9
  Top Layer w0.2: LED67_W5_53.1@183.232,236.28 LED67_W5_53.1@184.297,236.28 LED68_W5_53.2@191.638,236.28 LED68_W5_53.2@192.228,236.28
NetLED67_W5_54_1: LED67_W5_54.1 LED68_W5_54.2 | length 9
  Top Layer w0.2: LED67_W5_54.1@183.232,225.54 LED67_W5_54.1@184.297,225.54 LED68_W5_54.2@191.638,225.54 LED68_W5_54.2@192.228,225.54
NetLED67_W5_55_1: LED67_W5_55.1 LED68_W5_55.2 | length 9
  Top Layer w0.2: LED67_W5_55.1@183.232,214.8 LED67_W5_55.1@184.297,214.8 LED68_W5_55.2@191.638,214.8 LED68_W5_55.2@192.228,214.8
NetLED67_W5_60_1: LED67_W5_60.1 LED68_W5_60.2 | length 9
  Top Layer w0.2: LED67_W5_60.1@183.232,204.06 LED67_W5_60.1@184.297,204.06 LED68_W5_60.2@191.638,204.06 LED68_W5_60.2@192.228,204.06
NetLED67_W5_61_1: LED67_W5_61.1 LED68_W5_61.2 | length 9
  Top Layer w0.2: LED67_W5_61.1@183.232,193.32 LED67_W5_61.1@184.297,193.32 LED68_W5_61.2@191.638,193.32 LED68_W5_61.2@192.228,193.32
NetLED67_W5_62_1: LED67_W5_62.1 LED68_W5_62.2 | length 9
  Top Layer w0.2: LED67_W5_62.1@183.232,182.58 LED67_W5_62.1@184.297,182.58 LED68_W5_62.2@191.638,182.58 LED68_W5_62.2@192.228,182.58
NetLED67_W5_63_1: LED67_W5_63.1 LED68_W5_63.2 | length 9
  Top Layer w0.2: LED67_W5_63.1@183.232,171.84 LED67_W5_63.1@184.297,171.84 LED68_W5_63.2@191.638,171.84 LED68_W5_63.2@192.228,171.84
NetLED67_W5_64_1: LED67_W5_64.1 LED68_W5_64.2 | length 9
  Top Layer w0.2: LED67_W5_64.1@183.232,161.1 LED67_W5_64.1@184.297,161.1 LED68_W5_64.2@191.638,161.1 LED68_W5_64.2@192.228,161.1
NetLED67_W5_65_1: LED67_W5_65.1 LED68_W5_65.2 | length 9
  Top Layer w0.2: LED67_W5_65.1@183.232,150.36 LED67_W5_65.1@184.297,150.36 LED68_W5_65.2@191.638,150.36 LED68_W5_65.2@192.228,150.36
NetLED67_W5_70_1: LED67_W5_70.1 LED68_W5_70.2 | length 9
  Top Layer w0.2: LED67_W5_70.1@183.232,139.62 LED67_W5_70.1@184.297,139.62 LED68_W5_70.2@191.638,139.62 LED68_W5_70.2@192.228,139.62
NetLED67_W5_71_1: LED67_W5_71.1 LED68_W5_71.2 | length 9
  Top Layer w0.2: LED67_W5_71.1@183.232,128.88 LED67_W5_71.1@184.297,128.88 LED68_W5_71.2@191.638,128.88 LED68_W5_71.2@192.228,128.88
NetLED67_W5_72_1: LED67_W5_72.1 LED68_W5_72.2 | length 9
  Top Layer w0.2: LED67_W5_72.1@183.232,118.14 LED67_W5_72.1@184.297,118.14 LED68_W5_72.2@191.638,118.14 LED68_W5_72.2@192.228,118.14
NetLED67_W5_73_1: LED67_W5_73.1 LED68_W5_73.2 | length 9
  Top Layer w0.2: LED67_W5_73.1@183.232,107.4 LED67_W5_73.1@184.297,107.4 LED68_W5_73.2@191.638,107.4 LED68_W5_73.2@192.228,107.4
NetLED67_W5_74_1: LED67_W5_74.1 LED68_W5_74.2 | length 9
  Top Layer w0.2: LED67_W5_74.1@183.232,96.66 LED67_W5_74.1@184.297,96.66 LED68_W5_74.2@191.638,96.66 LED68_W5_74.2@192.228,96.66
NetLED67_W5_75_1: LED67_W5_75.1 LED68_W5_75.2 | length 9
  Top Layer w0.2: LED67_W5_75.1@183.232,85.92 LED67_W5_75.1@184.297,85.92 LED68_W5_75.2@191.638,85.92 LED68_W5_75.2@192.228,85.92
NetLED67_W5_80_1: LED67_W5_80.1 LED68_W5_80.2 | length 9
  Top Layer w0.2: LED67_W5_80.1@183.232,75.18 LED67_W5_80.1@184.297,75.18 LED68_W5_80.2@191.638,75.18 LED68_W5_80.2@192.228,75.18
NetLED67_W5_81_1: LED67_W5_81.1 LED68_W5_81.2 | length 9
  Top Layer w0.2: LED67_W5_81.1@183.232,64.44 LED67_W5_81.1@184.297,64.44 LED68_W5_81.2@191.638,64.44 LED68_W5_81.2@192.228,64.44
NetLED67_W5_82_1: LED67_W5_82.1 LED68_W5_82.2 | length 9
  Top Layer w0.2: LED67_W5_82.1@183.232,53.7 LED67_W5_82.1@184.297,53.7 LED68_W5_82.2@191.638,53.7 LED68_W5_82.2@192.228,53.7
NetLED67_W5_83_1: LED67_W5_83.1 LED68_W5_83.2 | length 9
  Top Layer w0.2: LED67_W5_83.1@183.232,42.96 LED67_W5_83.1@184.297,42.96 LED68_W5_83.2@191.638,42.96 LED68_W5_83.2@192.228,42.96
NetLED67_W5_84_1: LED67_W5_84.1 LED68_W5_84.2 | length 9
  Top Layer w0.2: LED67_W5_84.1@183.232,32.22 LED67_W5_84.1@184.297,32.22 LED68_W5_84.2@191.638,32.22 LED68_W5_84.2@192.228,32.22
NetLED67_W5_85_1: LED67_W5_85.1 LED68_W5_85.2 | length 9
  Top Layer w0.2: LED67_W5_85.1@183.232,21.48 LED67_W5_85.1@184.297,21.48 LED68_W5_85.2@191.638,21.48 LED68_W5_85.2@192.228,21.48
NetLED67_W5_90_1: LED67_W5_90.1 LED68_W5_90.2 | length 8.6
  Top Layer w0.2: LED67_W5_90.1@32.883,289.98 LED67_W5_90.1@33.473,289.98 ; LED67_W5_90.1@33.923,289.98 33.951,289.952 v1(34.693,289.952) ; v1(40.623,289.975) 40.628,289.98 LED68_W5_90.2@41.264,289.98 LED68_W5_90.2@41.854,289.98 LED68_W5_90.2@41.879,289.98
  Bottom Layer w0.2: v1(34.693,289.952) 34.705,289.963 40.611,289.963 v1(40.623,289.975)
NetLED67_W5_91_1: LED67_W5_91.1 LED68_W5_91.2 | length 9
  Top Layer w0.2: LED67_W5_91.1@22.117,279.24 LED67_W5_91.1@23.182,279.24 LED68_W5_91.2@30.523,279.24 LED68_W5_91.2@31.113,279.24